# KiCad board hologram v3.kicad_pcb (continued)
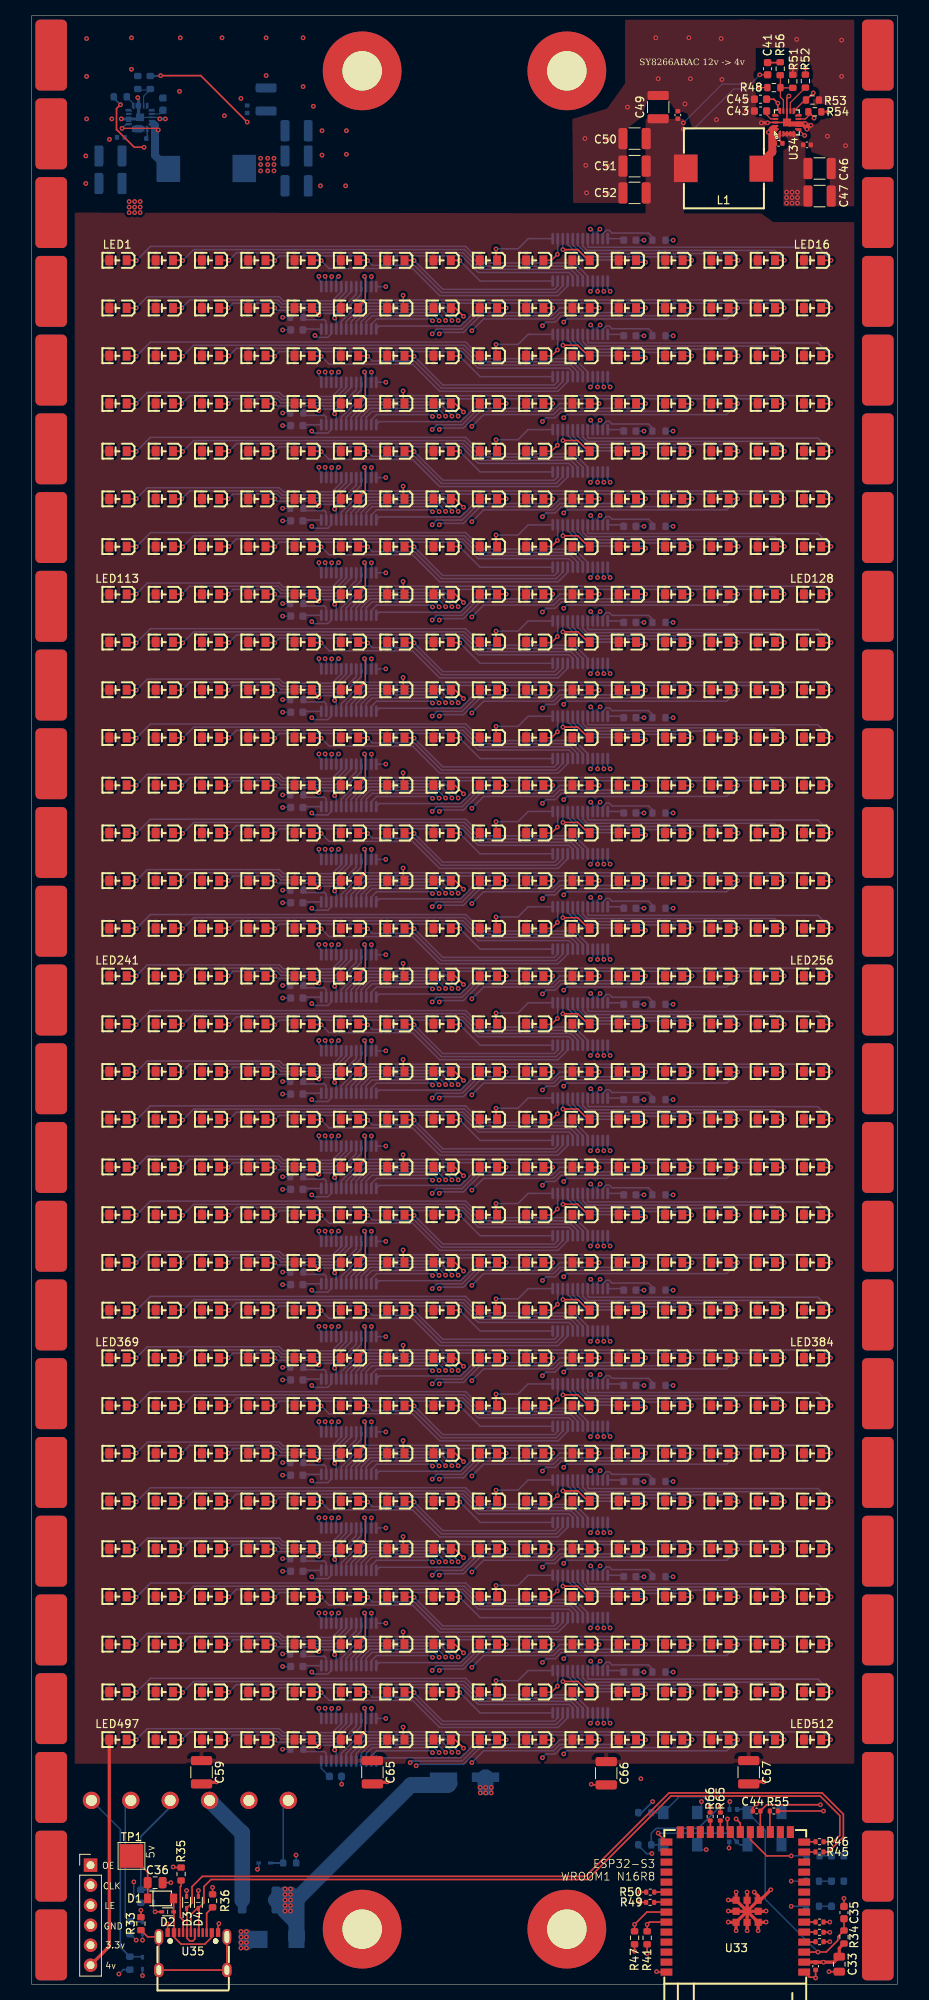
[diagram p0: board, top side]
## Routing (per net, layer and track width the routed paths; a pad name or vN(x,y) marks a point on that pad's centre or on a via; arc(x,y) is an arc through that point) (continued)
Net-(U5-VDD): length 2.1
  Bottom w0.2: 75.22,197.65 75.02,197.44 U5.24
Net-(U6-R-EXT): length 4.1
  Bottom w0.2: U6.23 37.44,186.91 37.2,187.15 34.83,187.15 R6.2
Net-(U6-VDD): length 2.4
  Bottom w0.2: U6.24 34.59,185.96 34.48,185.85
Net-(U7-R-EXT): length 7.5
  Bottom w0.2: U7.23 72.56,185.96 72.99,186.39 73.39,186.39 73.73,186.05 78.38,186.05 78.88,185.55
Net-(U7-VDD): length 2.1
  Bottom w0.2: 75.22,185.55 75.02,185.34 U7.24
Net-(U8-R-EXT): length 4.1
  Bottom w0.2: R8.2 34.83,175.05 37.2,175.05 37.44,174.81 U8.23
Net-(U8-VDD): length 2.4
  Bottom w0.2: U8.24 34.59,173.86 34.48,173.75
Net-(U9-R-EXT): length 7.5
  Bottom w0.2: U9.23 72.56,173.76 72.99,174.19 73.39,174.19 73.73,173.85 78.38,173.85 78.88,173.35
Net-(U9-VDD): length 2.1
  Bottom w0.2: U9.24 75.02,173.14 75.22,173.35
Net-(U10-R-EXT): length 4.1
  Bottom w0.2: U10.23 37.44,162.61 37.2,162.85 34.83,162.85 R10.2
Net-(U10-VDD): length 2.4
  Bottom w0.2: U10.24 34.59,161.66 34.48,161.55
Net-(U11-R-EXT): length 7.5
  Bottom w0.2: 78.88,161.25 78.38,161.75 73.73,161.75 73.39,162.09 72.99,162.09 72.56,161.66 U11.23
Net-(U11-VDD): length 2.1
  Bottom w0.2: 75.22,161.25 75.02,161.04 U11.24
Net-(U12-R-EXT): length 4.1
  Bottom w0.2: U12.23 37.44,150.51 37.2,150.75 34.83,150.75 R12.2
Net-(U12-VDD): length 2.4
  Bottom w0.2: 34.48,149.45 34.59,149.56 U12.24
Net-(U13-R-EXT): length 7.5
  Bottom w0.2: 78.88,149.15 78.38,149.65 73.73,149.65 73.39,149.99 72.99,149.99 72.56,149.56 U13.23
Net-(U13-VDD): length 2.1
  Bottom w0.2: U13.24 75.02,148.94 75.22,149.15
Net-(U14-R-EXT): length 4.1
  Bottom w0.2: R14.2 34.83,138.65 37.2,138.65 37.44,138.41 U14.23
Net-(U14-VDD): length 2.4
  Bottom w0.2: 34.48,137.35 34.59,137.46 U14.24
Net-(U15-R-EXT): length 7.5
  Bottom w0.2: 78.88,137.05 78.38,137.55 73.73,137.55 73.39,137.89 72.99,137.89 72.56,137.46 U15.23
Net-(U15-VDD): length 2.1
  Bottom w0.2: 75.22,137.05 75.02,136.84 U15.24
Net-(U16-R-EXT): length 4.1
  Bottom w0.2: U16.23 37.44,126.31 37.2,126.55 34.83,126.55 R16.2
Net-(U16-VDD): length 2.4
  Bottom w0.2: 34.48,125.25 34.59,125.36 U16.24
Net-(U17-R-EXT): length 7.5
  Bottom w0.2: U17.23 72.56,125.26 72.99,125.69 73.39,125.69 73.73,125.35 78.38,125.35 78.88,124.85
Net-(U17-VDD): length 2.1
  Bottom w0.2: 75.22,124.85 75.02,124.64 U17.24
Net-(U18-R-EXT): length 4.1
  Bottom w0.2: R18.2 34.83,114.35 37.2,114.35 37.44,114.11 U18.23
Net-(U18-VDD): length 2.4
  Bottom w0.2: U18.24 34.59,113.16 34.48,113.05
Net-(U19-R-EXT): length 7.5
  Bottom w0.2: U19.23 72.56,113.16 72.99,113.59 73.39,113.59 73.73,113.25 78.38,113.25 78.88,112.75
Net-(U19-VDD): length 2.1
  Bottom w0.2: 75.22,112.75 75.02,112.54 U19.24
Net-(U20-R-EXT): length 4.1
  Bottom w0.2: R20.2 34.83,102.25 37.2,102.25 37.44,102.01 U20.23
Net-(U20-VDD): length 2.4
  Bottom w0.2: 34.48,100.95 34.59,101.06 U20.24
Net-(U21-R-EXT): length 7.5
  Bottom w0.2: U21.23 72.56,101.06 72.99,101.49 73.39,101.49 73.73,101.15 78.38,101.15 78.88,100.65
Net-(U21-VDD): length 2.1
  Bottom w0.2: 75.22,100.65 75.02,100.44 U21.24
Net-(U22-R-EXT): length 4.1
  Bottom w0.2: U22.23 37.44,89.91 37.2,90.15 34.83,90.15 R22.2
Net-(U22-VDD): length 2.4
  Bottom w0.2: U22.24 34.59,88.96 34.48,88.85
Net-(U23-R-EXT): length 7.5
  Bottom w0.2: 78.88,88.55 78.38,89.05 73.73,89.05 73.39,89.39 72.99,89.39 72.56,88.96 U23.23
Net-(U23-VDD): length 2.1
  Bottom w0.2: 75.22,88.55 75.02,88.34 U23.24
Net-(U24-R-EXT): length 4.1
  Bottom w0.2: U24.23 37.44,77.81 37.2,78.05 34.83,78.05 R24.2
Net-(U24-VDD): length 2.4
  Bottom w0.2: 34.48,76.75 34.59,76.86 U24.24
Net-(U25-R-EXT): length 7.5
  Bottom w0.2: 78.88,76.45 78.38,76.95 73.73,76.95 73.39,77.29 72.99,77.29 72.56,76.86 U25.23
Net-(U25-VDD): length 2.1
  Bottom w0.2: U25.24 75.02,76.24 75.22,76.45
Net-(U26-R-EXT): length 4.1
  Bottom w0.2: R26.2 34.83,65.95 37.2,65.95 37.44,65.71 U26.23
Net-(U26-VDD): length 2.4
  Bottom w0.2: U26.24 34.59,64.76 34.48,64.65
Net-(U27-R-EXT): length 7.5
  Bottom w0.2: 78.88,64.25 78.38,64.75 73.73,64.75 73.39,65.09 72.99,65.09 72.56,64.66 U27.23
Net-(U27-VDD): length 2.1
  Bottom w0.2: U27.24 75.02,64.04 75.22,64.25
Net-(U28-R-EXT): length 4.1
  Bottom w0.2: U28.23 37.44,53.51 37.2,53.75 34.83,53.75 R28.2
Net-(U28-VDD): length 2.4
  Bottom w0.2: U28.24 34.59,52.56 34.48,52.45
Net-(U29-R-EXT): length 7.5
  Bottom w0.2: U29.23 72.56,52.56 72.99,52.99 73.39,52.99 73.73,52.65 78.38,52.65 78.88,52.15
Net-(U29-VDD): length 2.1
  Bottom w0.2: 75.22,52.15 75.02,51.94 U29.24
Net-(U30-R-EXT): length 4.1
  Bottom w0.2: U30.23 37.44,41.41 37.2,41.65 34.83,41.65 R30.2
Net-(U30-VDD): length 2.4
  Bottom w0.2: 34.48,40.35 34.59,40.46 U30.24
Net-(U31-R-EXT): length 7.5
  Bottom w0.2: U31.23 72.56,40.46 72.99,40.89 73.39,40.89 73.73,40.55 78.38,40.55 78.88,40.05
Net-(U31-VDD): length 2.1
  Bottom w0.2: U31.24 75.02,39.84 75.22,40.05
Net-(U32-R-EXT): length 4.1
  Bottom w0.2: R32.2 34.83,29.55 37.2,29.55 37.44,29.31 U32.23
Net-(U32-VDD): length 2.4
  Bottom w0.2: U32.24 36.81,27.41 C32.2
Net-(U33-IO4): length 1.5
  Top w0.2: U33.4 99.55,5.36 R42.1
Net-(U33-IO5): length 1.5
  Top w0.2: R43.1 99.56,6.63 U33.5
Net-(U33-IO6): length 1.4
  Top w0.2: U33.6 99.59,7.9 R44.1
Net-(U33-IO9): length 2.7
  Top w0.2: R55.1 93.79,19.39 U33.17
Net-(U33-IO11): length 8.9
  Top w0.2: U33.19 91.31,18.38 93.39,16.3 v1(96.5,16.3)
  Bottom w0.2: R57.1 v1(96.5,16.3)
Net-(U33-IO12): length 14.6
  Top w0.2: v1(89.5,21) 90.03,20.47 U33.20
  In1.Cu w0.2: v1(89.5,21) 89.5,20.1 v1(96.5,13.1)
  Bottom w0.2: R59.1 v1(96.5,13.1)
Net-(U33-IO13): length 19.7
  Top w0.2: U33.21 88.4,19.7 v1(88.4,21)
  In1.Cu w0.2: v1(88.4,21) 88.4,20.4 88,20 88,16.4 94.5,9.9 v1(96.5,9.9)
  Bottom w0.2: R60.1 v1(96.5,9.9)
Net-(U33-IO14): length 1.5
  Top w0.2: U33.22 R65.2
Net-(U33-IO19): length 1.4
  Top w0.2: R45.1 98.16,16.8 U33.13
Net-(U33-IO20): length 1.5
  Top w0.2: U33.14 98.19,18.1 R46.1
Net-(U33-IO21): length 1.5
  Top w0.2: R66.1 86.23,20.76 U33.23
Net-(U33-IO39): length 1.5
  Top w0.2: U33.32 79.19,11.71 79.19,11.7
Net-(U33-IO40): length 1.6
  Top w0.2: 79.08,10.4 79.12,10.44 U33.33
Net-(U34-BS): length 1.3
  Top w0.2: C40.1 95.05,234.13 U34.1
Net-(U34-FB): length 6.4
  Top w0.15: R48.2 95.12,239.68 95.51,239.29 95.51,237.9 ; R48.2 95.12,242.18 95.1,242.2 R56.2 95.12,242.43 ; R48.2 95.15,240.85 R51.1 96.67,240.88
Net-(U34-MODE): length 3.8
  Top w0.15: R52.2 96.38,238.96 96.38,237.9
Net-(U34-VCC): length 1.8
  Top w0.15: C43.1 93.38,237.43 93.91,236.89 94.5,236.89
Net-(U35-CC1_A5): length 6.8
  Top w0.2: R35.1 19,12.47 18.9,12.38 18.9,8.5 19.25,8.15 U35.4
Net-(U35-CC2_B5): length 3.5
  Top w0.2: R36.1 22.25,9.03 U35.10
Net-(U36-BS): length 1.3
  Bottom w0.15: 14.44,234.4 14.7,234.66 U36.1
Net-(U36-EN): length 1.5
  Bottom w0.15: R58.2 12.9,238.9 U36.11
Net-(U36-FB): length 3.9
  Bottom w0.15: 14.24,238.55 14.24,239.77 15.03,240.55 13.65,240.55 R62.1
Net-(U36-VCC): length 1.6
  Bottom w0.15: C57.1 16.24,237.54 15.25,237.54

## Copper pours and planes (outline as drawn; the poured copper is in the pictures)
+12V on Top: 95.5,235.3 97,235.3 97.6,234.6 98.3,233.8 98.3,225.8 95.5,225.8
+12V on Bottom: 11.7,235.1 12.1,235.6 12.4,236 14.4,236 14.4,224.8 11.7,224.8
GND on Top: 98.33,241.77 96.2,242.52 96.3,249.9 104.5,249.9 104.5,225.8 101.4,225.8 101.4,231.9 99.1,232.7 98.6,234.3 98.2,234.6 97.8,235 98.4,236.8 98.9,239.83
GND on Top: 89.9,250 98.2,250 98.2,245.9 89.9,245.9
GND on Top: 68.8,226.2 68.7,236.9 73.1,238.2 75.4,241.4 75.4,249.9 92,249.9 92,237.1 93.9,237.1 93.9,235.8 83.91,235.8 83.3,237.6 81.8,238 80.8,239.4 78.3,239.4 77.5,237.1 75.8,235.8 75.6,235.7 75.6,226.2
GND on Bottom: 42.1,224.4 42.1,237.1 39,237.7 37.3,239.5 36.1,242.2 36.1,250 16.2,250 16.2,237.7 14.8,237.5 14.7,235.9 26.5,235.9 26.5,238.1 27.8,238.6 28.8,239.9 32.7,239.8 33.9,238.7 34.4,236.8 34.4,224.4
GND on Bottom: 5.5,223.3 25.3,223.3 29.8,225 104.5,225 104.5,0 5.5,0
GND on Bottom: 5.5,227.3 5.5,250 16.8,250 16.8,242 13.1,242 12.3,240.5 11.2,238.7 11.2,237.7 11.9,237.1 11.2,233.7 9.4,233.4 9.1,233 9.2,227.3
GND on In2.Cu: 5,250 105,250 105,0 5,0
VCC on Top: 5.5,225 92.7,224.9 94.2,223.8 104.5,223.8 104.5,28 5.5,28
VCC on Top: 78,236.9 82.9,236.9 82.9,223.6 78,223.6
VDD on Bottom: 27.1,237.9 32.8,237.9 32.8,227.1 27.1,227.1
VDD on In3.Cu: 5,225 27.4,225 27.1,237.9 70.4,238.2 78.9,250 105,250 105,0 5,0

## Text on the board
B.Silkscreen: A | B | Z | 12v | GND | PWM | SM16106SC | Hologram v3 - NAIT CMPE2965 / Kaden Sparrow - Feb 2026 | SY8266ARAC 12v -> 3.3v
F.Silkscreen: OE | CLK | GND | LE | 3.3v | 4v | ESP32-S3 / WROOM1 N16R8 | 5v | SY8266ARAC 12v -> 4v
